# Altium PCB 12_fit_switch.PcbDoc (part 6 of 6)
Units mm, origin at the board's own origin, x right, y up, seen from the top; angles counter-clockwise.
Board outline 240 x 160 mm, 2 copper layers (TopLayer, BottomLayer), stack 1.6 mm thick; 452 components, 319 nets, 1383 pads, 217 vias.
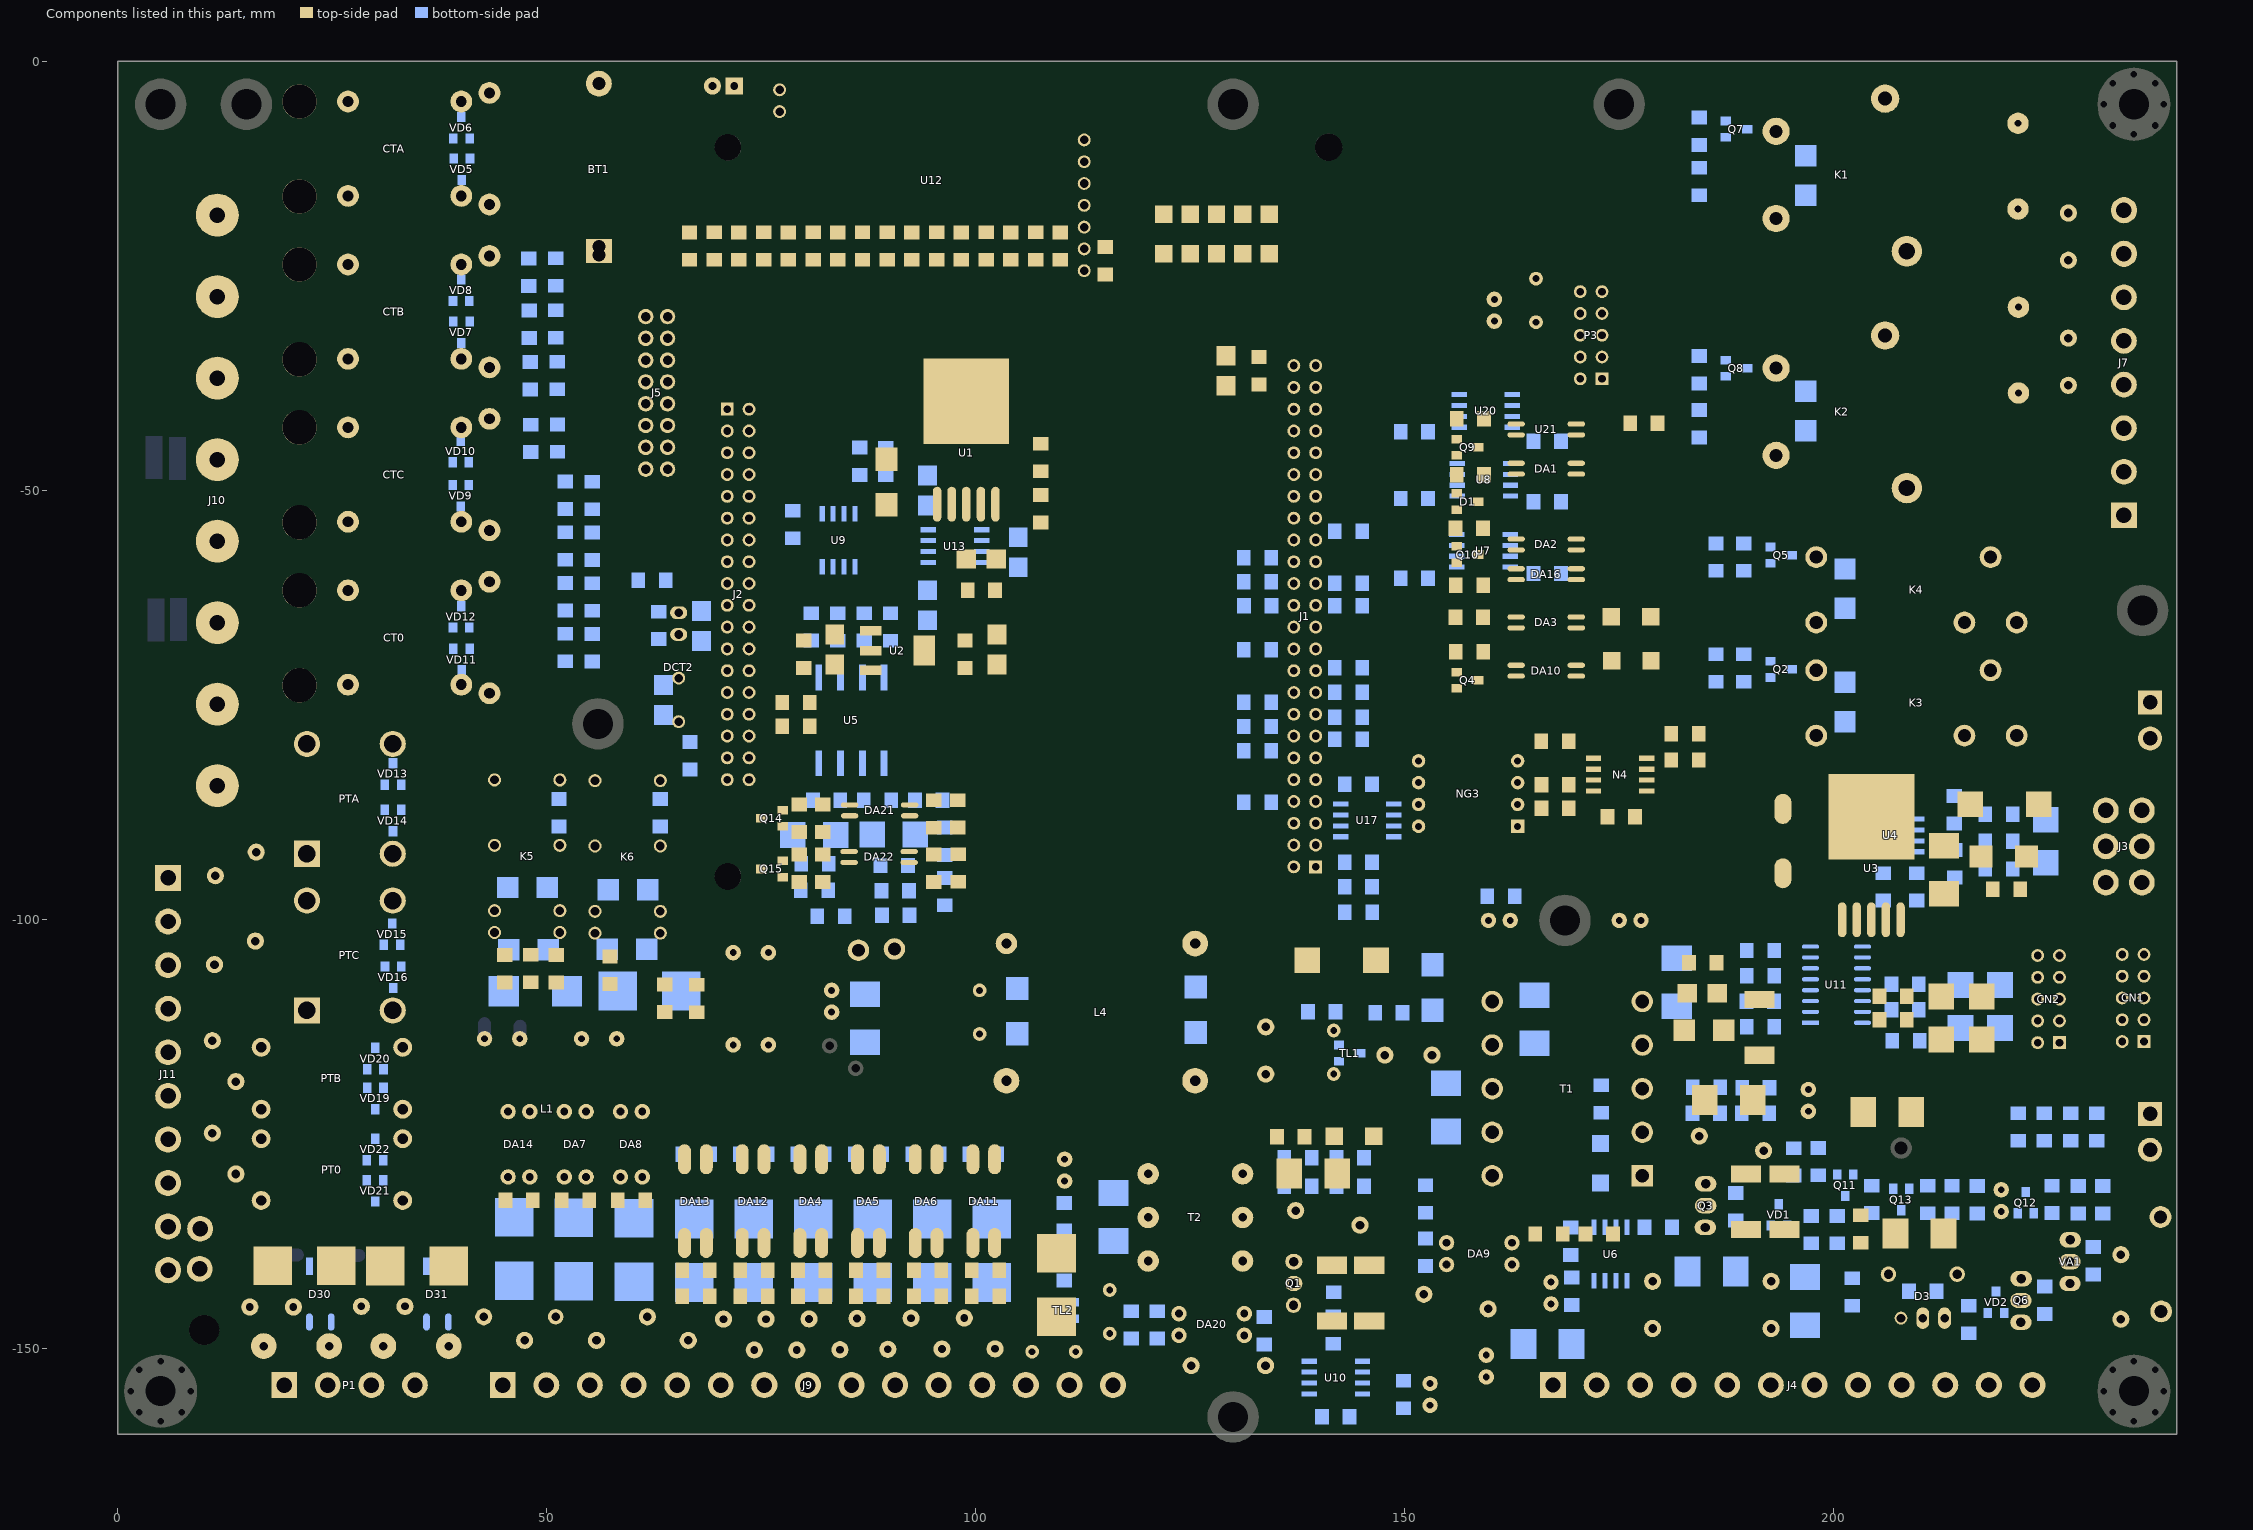
[diagram p6: the components of this part, seen from the top]

## Silkscreen, mask and mechanical layers (free items; w line width, h text height) (continued)
BottomOverlay:
  circle w0.15: c49.454,-114.614 r1.261
  circle w0.15: c41.129,-116.267 r1.261
  circle w0.15: c15.113,-138.873 r1.261
  circle w0.15: c31.852,-138.848 r1.261
  lines w0.2: 78.257,-36.601 95.555,-36.601 ; 78.257,-33.426 95.555,-33.426 ; 83.845,-39.421 83.845,-30.277 ; 89.281,-39.472 89.281,-30.175 91.008,-30.175 ; 89.891,-84.785 90.574,-84.102 93.32,-84.102 ; 90.551,-30.175 90.678,-30.175 ; 78.257,-39.472 95.555,-39.472 95.555,-30.175 78.257,-30.175 78.257,-39.472
  lines w0.254: 16.459,-139.446 17.043,-139.446 ; 16.561,-139.04 16.637,-139.04 17.043,-139.446 ; 17.043,-138.963 17.043,-139.446 ; 30.048,-139.268 30.048,-139.852 ; 30.455,-139.37 30.455,-139.446 30.048,-139.852 ; 30.531,-139.852 30.048,-139.852 ; 41.224,-114.275 41.707,-114.275 ; 41.3,-114.757 41.3,-114.681 41.707,-114.275 ; 41.707,-114.859 41.707,-114.275 ; 48.184,-113.513 48.184,-113.03 ; 48.666,-113.436 48.59,-113.436 48.184,-113.03 ; 48.768,-113.03 48.184,-113.03
  text "PT_SEL" at 94.717,-32.258 h1
  text "R12" at 87.655,-32.36 h1
  text "R19" at 82.067,-32.41 h1
  text "OPEN" at 83.033,-35.535 h1
  text "SHORT" at 88.468,-35.535 h1
  text "EPT" at 93.65,-35.535 h1
  text "SHORT" at 83.134,-38.608 h1
  text "OPEN" at 88.189,-38.608 h1
  text "PT" at 93.447,-38.608 h1
  text "NC" at 236.372,-84.632 h1
  text "A" at 229.54,-86.538 h1
  text "B" at 238.912,-92.202 h1
  text "TXGND" at 228.516,-93.624 h1 r270
  text "Ua" at 1.905,-96.088 h1.52 r270
  text "TXGND" at 238.404,-99.296 h1
  text "+24" at 232.893,-99.314 h1
  text "Ua'" at 1.905,-101.168 h1.52 r270
  text "Uc" at 1.676,-106.096 h1.52 r270
  text "Uc'" at 1.676,-111.176 h1.52 r270
  text "D" at 49.809,-113.815 h1.52 r180
  text "C" at 41.738,-115.468 h1.52 r180
  text "Ub" at 1.549,-116.281 h1.52 r270
  text "Ub'" at 1.803,-121.793 h1.52 r270
  text "U0" at 1.905,-126.568 h1.52 r270
  text "U0'" at 1.905,-131.648 h1.52 r270
  text "E0" at 1.905,-136.779 h1.52 r270
  text "C" at 32.461,-138.049 h1.52 r180
  text "D" at 15.469,-138.074 h1.52 r180
  text "E0'" at 1.854,-142.215 h1.52 r270
  text "YXGND" at 107.925,-157.455 h1
  text "L1" at 18.923,-158.496 h1 r270
  text "N1" at 24.003,-158.496 h1 r270
  text "L2" at 29.185,-158.496 h1 r270
  text "N2" at 34.163,-158.496 h1 r270
  text "PTL" at 44.196,-159.055 h1 r270
  text "PTN" at 48.997,-159.055 h1 r270
  text "YDFL" at 64.821,-159.055 h1 r270
  text "HW" at 74.778,-159.055 h1 r270
  text "FW" at 79.858,-159.055 h1 r270
  text "WCN" at 84.938,-159.055 h1 r270
  text "YX2" at 90.018,-159.055 h1 r270
  text "YX3" at 95.098,-159.055 h1 r270
  text "YX4" at 100.178,-159.055 h1 r270
  text "+24" at 110.338,-159.055 h1 r270
  text "+24" at 115.418,-159.055 h1 r270
  text "YDHL" at 54.381,-159.233 h1 r270
  text "YDFN" at 69.901,-159.233 h1 r270
  text "LOAD" at 166.776,-159.309 h1 r270
  text "LOAD" at 171.856,-159.309 h1 r270
  text "GND" at 176.936,-159.309 h1 r270
  text "GND" at 182.016,-159.309 h1 r270
  text "GND" at 187.096,-159.309 h1 r270
  text "VIN-" at 192.176,-159.309 h1 r270
  text "VIN+" at 197.256,-159.309 h1 r270
  text "HHQ" at 202.336,-159.309 h1 r270
  text "HHT" at 207.416,-159.309 h1 r270
  text "BATT" at 212.471,-159.309 h1 r270
  text "B-" at 217.373,-159.309 h1 r270
  text "B+" at 222.555,-159.309 h1 r270
  text "YDHN" at 59.69,-159.36 h1 r270
BottomSolder:
  lines w1: 218.288,-70.968 222.021,-70.968 226.111,-66.878 226.111,-53.95 232.232,-47.828 233.832,-47.828 ; 218.516,-57.48 218.516,-52.146 233.045,-37.617 ; 221.107,-78.867 221.31,-78.867 229.133,-71.044 229.133,-57.582 232.41,-54.305 ; 221.107,-65.481 221.107,-65.43 222.91,-63.627 222.91,-52.426 232.588,-42.748
  lines w1.5: 3.19,-46.417 11.612,-46.417 ; 11.608,-65.684 5.258,-65.684 2.743,-63.17 2.743,-29.693 5.019,-27.417 11.612,-27.417 ; 167.005,-154.102 171.552,-154.102 175.108,-150.546 182.042,-150.546 190.119,-142.469 191.897,-142.469 191.922,-142.494 196.494,-142.494 ; 205.588,-32.004 219.329,-32.004 223.926,-27.407 233.451,-27.407 ; 206.451,-4.343 213.182,-4.343 216.789,-7.95 219.253,-7.95 224.053,-12.751 226.797,-12.751 231.394,-17.348 233.832,-17.348 ; 208.178,-49.682 215.722,-49.682 232.867,-32.537 233.528,-32.537 ; 208.178,-22.606 233.451,-22.606
  lines w3: 4.343,-47.015 11.684,-47.015 ; 4.699,-46.177 9.373,-46.177 ; 10.49,-65.608 4.826,-65.608 2.743,-63.525 2.743,-30.175 4.851,-28.067 10.922,-28.067
Mechanical1:
  lines w0.2: 77.47,-116.307 75.387,-118.389 45.339,-118.389 41.885,-121.844 41.885,-142.646 40.31,-144.221 40.31,-151.841 41.377,-151.841 41.377,-144.983 43.18,-143.18 43.18,-122.022 45.745,-119.456 75.921,-119.456 78.232,-117.145 ; 77.495,-116.307 78.232,-117.043 ; 97.993,-124.968 97.993,-122.477 98.116,-122.477 132.561,-122.477 132.715,-122.477 132.715,-124.968 97.993,-124.968

## Text inside footprints (layer, text, board x,y; h text height)
C2: BottomOverlay "+" at 93.686,-67.998 h1 r270
C3: BottomOverlay "+" at 68.747,-61.211 h1 r90
C4: BottomOverlay "+" at 93.686,-54.613 h1 r270
C6: BottomOverlay "+" at 62.927,-79.047 h1 r270
C10: TopOverlay "-" at 219.932,-133.621 h1.52 r270; TopOverlay "+" at 218.592,-128.111 h1.52 r270
C12: TopOverlay "+" at 225.61,-92.185 h1 r180
C14: TopOverlay "+" at 181.178,-97.993 h1.52 r180; TopOverlay "-" at 175.446,-100.527 h1.52 r180
C17: TopOverlay "+" at 105.26,-57.288 h1 r180
C18: TopOverlay "+" at 84.266,-73.155 h1 r90
C19: TopOverlay "+" at 196.328,-115.862 h1.52 r270; TopOverlay "-" at 197.453,-121.937 h1.52 r270
C21: TopOverlay "+" at 130.023,-121.818 h2 r90; TopOverlay "-" at 133.107,-113.234 h2 r90
C33: TopOverlay "+" at 129.859,-40.668 h1 r90
C34: TopOverlay "+" at 161.177,-34.252 h1.52 r90; TopOverlay "-" at 160.052,-28.177 h1.52 r90
C46: TopOverlay "-" at 193.41,-146.989 h2 r270; TopOverlay "+" at 198.044,-140.31 h2 r270
C48: BottomOverlay "+" at 125.154,-116.341 h1 r270
C49: BottomOverlay "+" at 104.326,-116.493 h1 r270
C50: TopOverlay "-" at 179.592,-146.989 h2 r270; TopOverlay "+" at 177.952,-136.525 h2 r270
C51: TopOverlay "+" at 156.032,-120.701 h2 r180; TopOverlay "-" at 148.387,-116.524 h2 r180
C52: BottomOverlay "+" at 153.738,-102.15 h1 r90
C53: TopOverlay "-" at 160.206,-100.527 h1.52 r180; TopOverlay "+" at 166.281,-99.402 h1.52 r180
C55: TopOverlay "-" at 166.656,-142.731 h1.52 r90; TopOverlay "+" at 165.583,-148.565 h1.52 r90
C63: TopOverlay "+" at 158.801,-147.295 h1.52 r270; TopOverlay "-" at 159.912,-152.9 h1.52 r270
C78: TopOverlay "+" at 82.485,-104.305 h1.52 r270; TopOverlay "-" at 83.61,-110.38 h1.52 r270
C79: TopOverlay "+" at 152.234,-150.127 h1.52 r270; TopOverlay "-" at 153.359,-156.202 h1.52 r270
C81: TopOverlay "+" at 111.088,-134.48 h1.52 r90; TopOverlay "-" at 109.963,-128.405 h1.52 r90
C87: TopOverlay "+" at 62.154,-115.849 h1.52 r180; TopOverlay "-" at 54.809,-115.019 h1.52 r180
C89: TopOverlay "+" at 50.546,-115.926 h1.52 r180; TopOverlay "-" at 43.506,-115.019 h1.52 r180
C90: TopOverlay "+" at 78.588,-107.442 h1.52 r180; TopOverlay "-" at 72.487,-104.986 h1.52 r180
C92: TopOverlay "+" at 80.239,-113.944 h1.52 r180; TopOverlay "-" at 72.487,-115.73 h1.52 r180
C93: TopOverlay "+" at 189.283,-107.91 h1 r180
C95: TopOverlay "+" at 90.111,-54.822 h1 r90
C96: TopOverlay "+" at 103.189,-73.155 h1 r90
C97: BottomOverlay "+" at 105.653,-52.626 h1 r90
CN1: TopOverlay "10" at 234.137,-102.565 h1.27 r90; TopOverlay "9" at 236.677,-102.565 h1.27 r90; TopOverlay "1" at 236.677,-116.281 h1.27 r90; TopOverlay "2" at 234.137,-116.789 h1.27 r90
CN2: TopOverlay "10" at 224.282,-102.692 h1.27 r90; TopOverlay "9" at 226.822,-102.692 h1.27 r90; TopOverlay "1" at 226.822,-116.408 h1.27 r90; TopOverlay "2" at 224.282,-116.916 h1.27 r90
D30: BottomOverlay "~" at 25.942,-144.537 h1 r90; BottomOverlay "~" at 23.242,-144.537 h1 r90; BottomOverlay "-" at 25.542,-142.037 h1 r90; BottomOverlay "+" at 22.642,-142.137 h1 r90
D31: BottomOverlay "~" at 39.592,-144.537 h1 r90; BottomOverlay "~" at 36.892,-144.537 h1 r90; BottomOverlay "-" at 39.192,-142.037 h1 r90; BottomOverlay "+" at 36.292,-142.137 h1 r90
J2: TopOverlay "1" at 70.18,-38.049 h1.27 r270; TopOverlay "2" at 73.076,-37.492 h1.27 r270
P3: TopOverlay "2" at 170.968,-39.54 h1.27 r90; TopOverlay "1" at 173.508,-39.032 h1.27 r90; TopOverlay "9" at 173.508,-25.316 h1.27 r90; TopOverlay "10" at 170.968,-25.316 h1.27 r90
PTA: TopOverlay "SPT204A" at 34.468,-80.569 h1.52 r270; TopOverlay "2mA/2mA" at 18.466,-80.696 h1.52 r270
PTC: TopOverlay "SPT204A" at 34.468,-98.831 h1.52 r270; TopOverlay "2mA/2mA" at 18.466,-98.958 h1.52 r270
T1: TopOverlay "10" at 161.498,-132.296 h1 r180; TopOverlay "1" at 177.998,-132.496 h1 r180